# KiCad board oresat-live-card.kicad_pcb (continued)
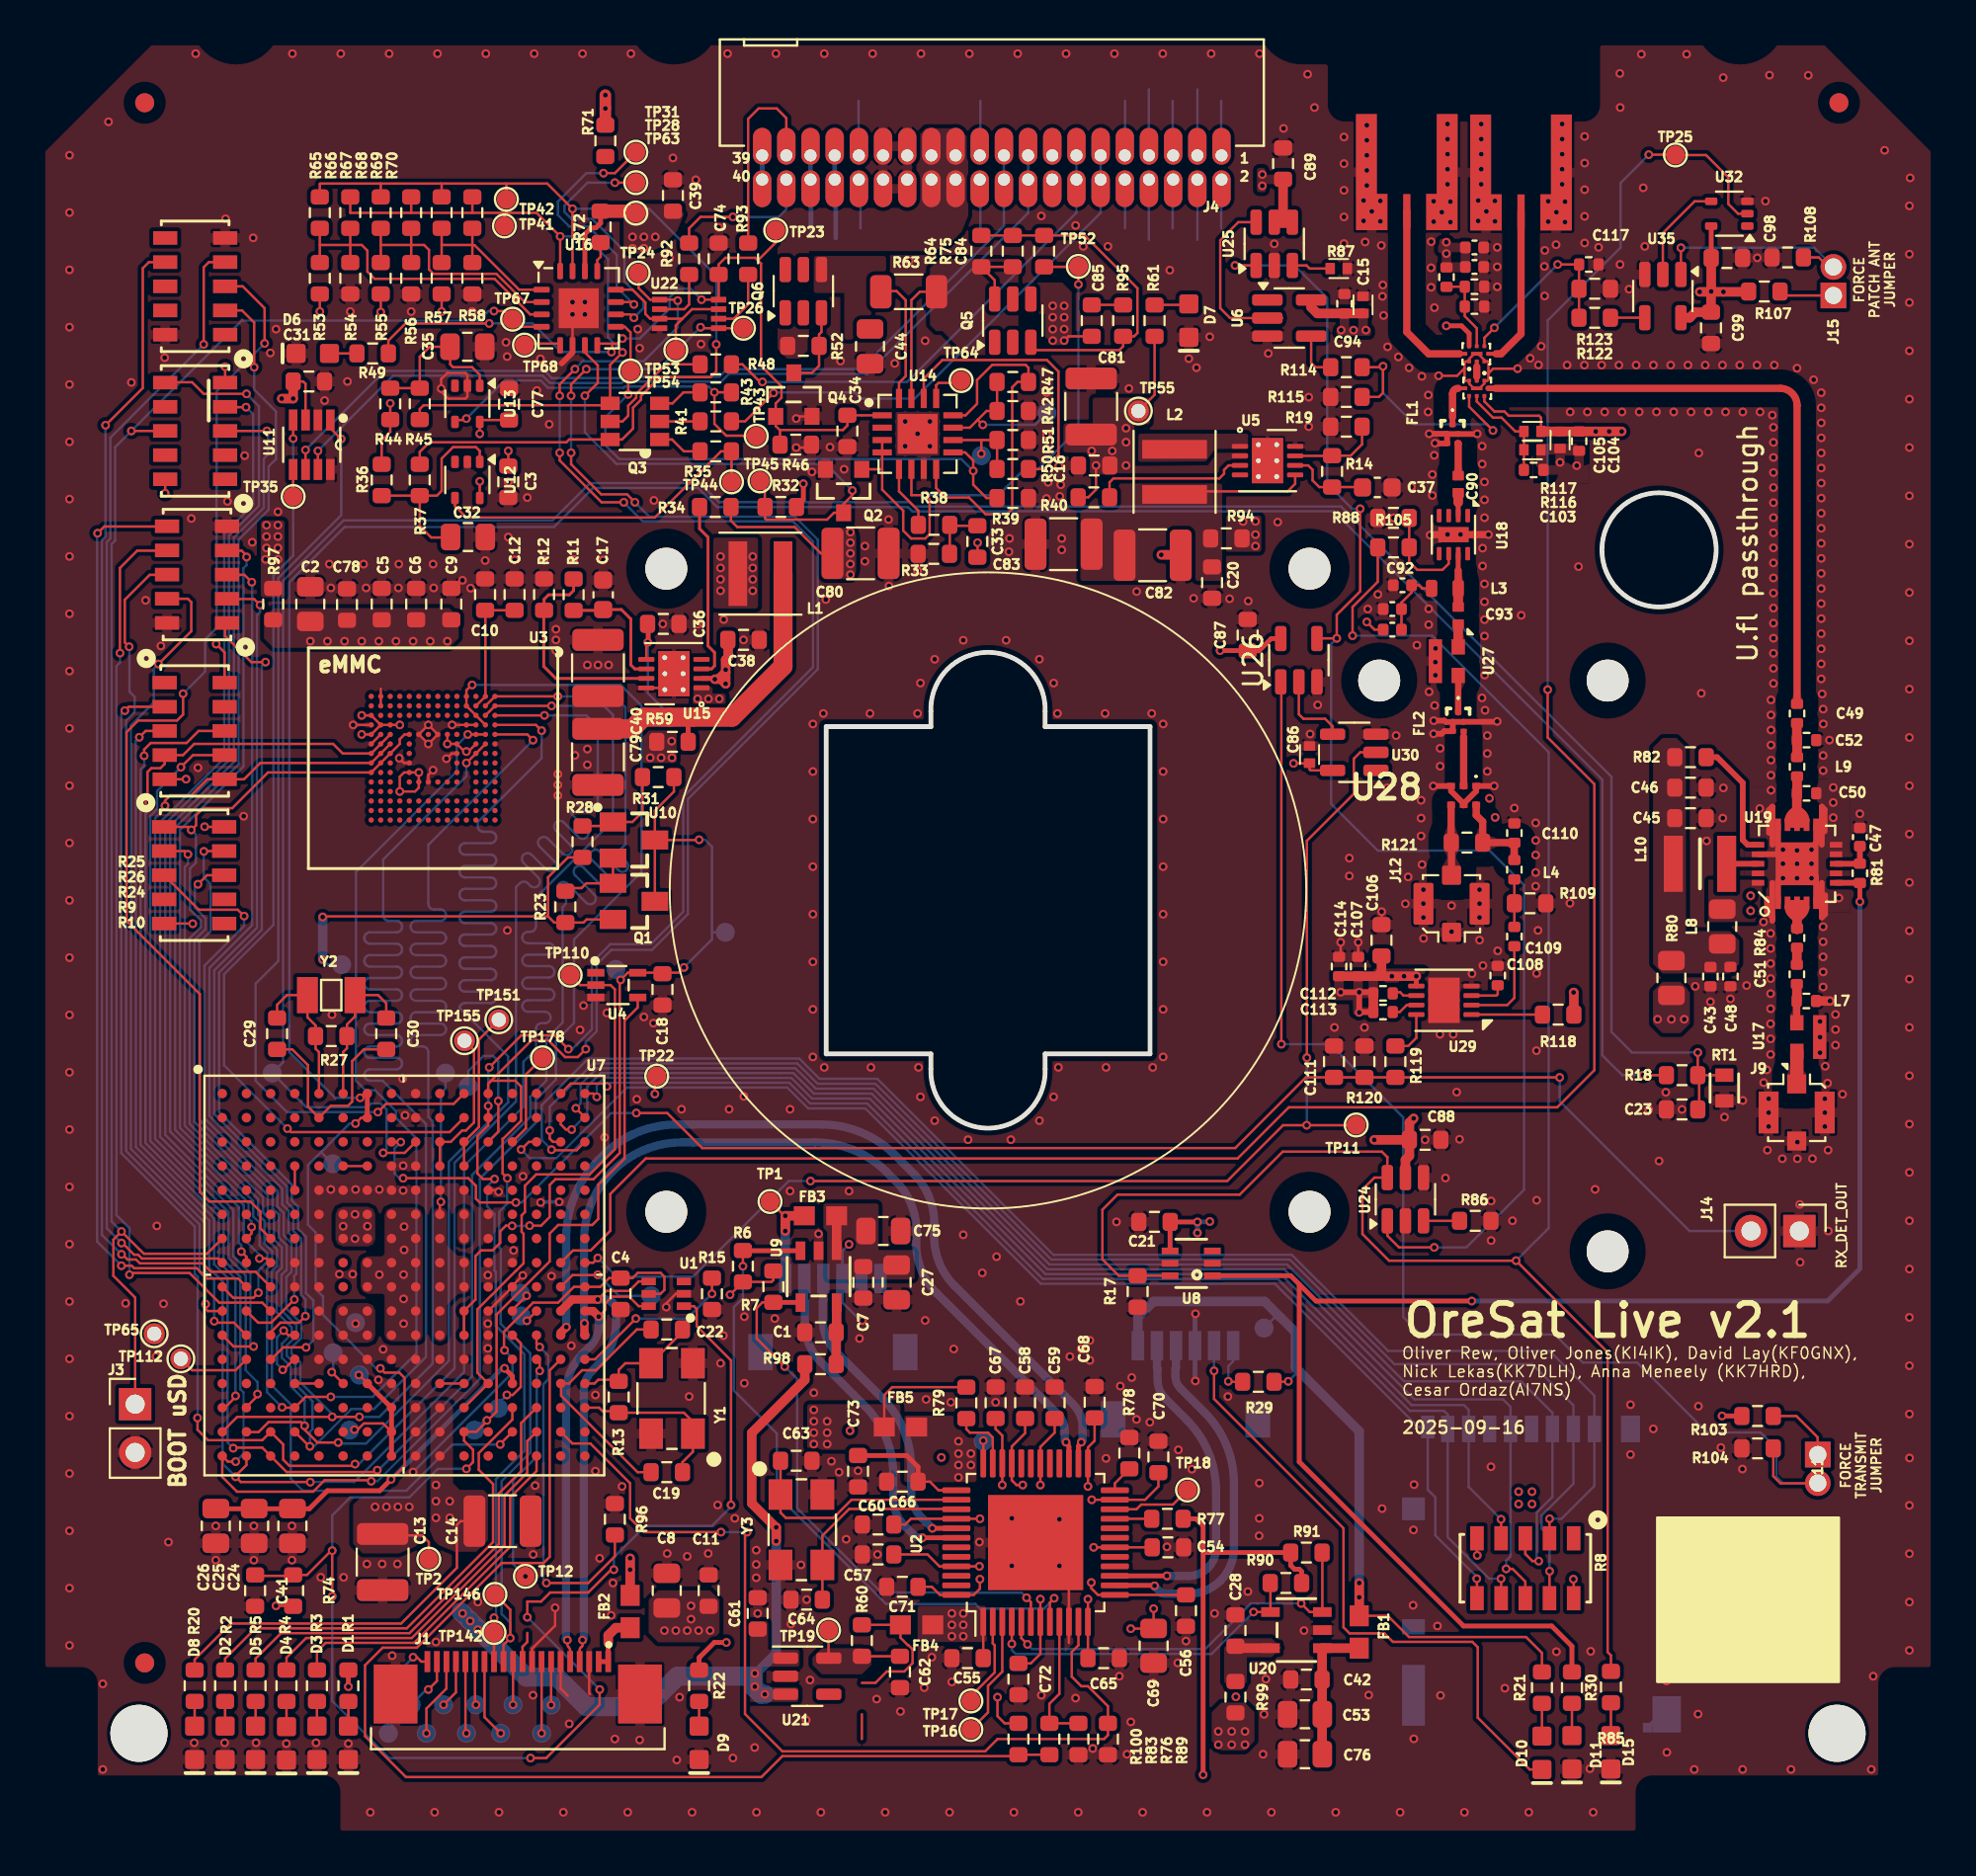
[diagram p0: board, top side]
## Routing (per net, layer and track width the routed paths; a pad name or vN(x,y) marks a point on that pad's centre or on a via; arc(x,y) is an arc through that point) (continued)
Net-(R10-99): length 104.6
  Top w0.127: v1(22.5,56.5) U3.B6 ; R10.9 8.73,51.87 v1(8.71,51.85) ; U7.R4 14.25,20.58 v1(14.28,20.58)
  Bottom w0.127: v1(8.71,51.85) 8.7,51.84 8.7,50.5 9.05,50.15 9.05,47.65 8.47,47.07 8.47,37.74 11.5,34.71 11.5,34.71 12.32,33.89 12.32,33.08 12.65,32.75 12.65,31.56 13.06,31.15 13.06,29.86 12.79,29.59 12.79,27.73 13.23,27.29 ; 13.13,27.39 13.57,26.94 13.57,26.39 13.06,25.87 13.06,25.35 13.52,24.89 13.52,23.84 14.42,22.95 14.42,21.48 14.28,21.34 v1(14.28,20.58) 14.49,20.58 16.46,22.55 17.64,22.55 20.38,25.28 20.38,37.52 18.1,39.8 17.88,39.8 17.83,39.8 17.44,39.8 17.39,39.8 17.3,39.83 17.23,39.89 17.17,39.96 17.14,40.05 17.14,40.1 17.14,40.15 17.17,40.24 17.23,40.31 17.3,40.37 17.39,40.4 17.44,40.4 18.82,40.4 18.87,40.4 18.96,40.43 19.03,40.49 19.09,40.56 19.12,40.65 19.12,40.7 19.12,40.75 19.09,40.84 19.03,40.91 18.96,40.97 18.87,41 18.82,41 17.44,41 17.39,41 17.3,41.03 17.23,41.09 17.17,41.16 17.14,41.25 17.14,41.3 17.14,41.35 17.17,41.44 17.23,41.51 17.3,41.57 17.39,41.6 17.44,41.6 18.82,41.6 18.87,41.6 18.96,41.63 19.03,41.69 19.09,41.76 19.12,41.85 19.12,41.9 19.12,41.95 19.09,42.04 19.03,42.11 18.96,42.17 18.87,42.2 18.82,42.2 17.44,42.2 17.39,42.2 17.3,42.23 17.23,42.29 17.17,42.36 17.14,42.45 17.14,42.5 17.14,42.55 17.17,42.64 17.23,42.71 17.3,42.77 17.39,42.8 17.44,42.8 18.82,42.8 18.87,42.8 18.96,42.83 19.03,42.89 19.09,42.96 19.12,43.05 19.12,43.1 19.12,43.15 19.09,43.24 19.03,43.31 18.96,43.37 18.87,43.4 18.82,43.4 17.44,43.4 17.39,43.4 17.3,43.43 17.23,43.49 17.17,43.56 17.14,43.65 17.14,43.7 17.14,43.75 17.17,43.84 17.23,43.91 17.3,43.97 17.39,44 17.44,44 18.82,44 18.87,44 18.96,44.03 19.03,44.09 19.09,44.16 19.12,44.25 19.12,44.3 19.12,44.35 19.09,44.44 19.03,44.51 18.96,44.57 18.87,44.6 18.82,44.6 17.44,44.6 17.39,44.6 17.3,44.63 17.23,44.69 17.17,44.76 17.14,44.85 17.14,44.9 17.14,44.95 17.17,45.04 17.23,45.11 17.3,45.17 17.39,45.2 17.44,45.2 18.82,45.2 18.87,45.2 18.96,45.23 19.03,45.29 19.09,45.36 19.12,45.45 19.12,45.5 19.12,45.55 19.09,45.64 19.03,45.71 18.96,45.77 18.87,45.8 18.82,45.8 17.44,45.8 17.39,45.8 17.3,45.83 17.23,45.89 17.17,45.96 17.14,46.05 17.14,46.1 17.14,46.15 17.17,46.24 17.23,46.31 17.3,46.37 17.39,46.4 17.44,46.4 18.82,46.4 18.87,46.4 18.96,46.43 19.03,46.49 19.09,46.56 19.12,46.65 19.12,46.7 19.12,46.75 19.09,46.84 19.03,46.91 18.96,46.97 18.87,47 18.82,47 17.44,47 17.39,47 17.3,47.03 17.23,47.09 17.17,47.16 17.14,47.25 17.14,47.3 17.14,47.35 17.17,47.44 17.23,47.51 17.3,47.57 17.39,47.6 17.44,47.6 18.82,47.6 18.87,47.6 18.96,47.63 19.03,47.69 19.09,47.76 19.12,47.85 19.12,47.9 19.12,47.95 19.09,48.04 19.03,48.11 18.96,48.17 18.87,48.2 18.82,48.2 18.43,48.2 18.38,48.2 18.29,48.23 18.22,48.29 18.16,48.36 18.13,48.45 18.13,48.5 18.13,51.43 22.5,55.8 v1(22.5,56.5)
Net-(R24-11): length 44.7
  Top w0.127: v1(14.08,25.78) 12.88,25.78 12.25,25.15 U7.M3 ; v1(11.95,61.8) 11.2,61.8 9.83,63.17 9.83,63.85
  Bottom w0.127: v1(14.08,25.78) 14.46,26.17 14.46,28.25 14.07,28.64 14.07,31.6 13.66,32.01 13.66,33.17 13.33,33.5 13.33,34.34 9.51,38.16 9.51,45.49 11.75,47.73 11.75,61.61 v1(11.95,61.8)
Net-(R24-22): length 44.7
  Top w0.127: 12.21,26.42 12.21,26.57 12.73,27.08 13.7,27.08 v1(14.04,27.42) ; v1(11.66,64.8) 11.34,65.12 9.83,65.12
  Bottom w0.127: v1(14.04,27.42) 14.05,27.43 14.05,28.3 13.82,28.53 13.82,31.5 13.41,31.91 13.41,33.07 13.08,33.4 13.08,34.23 9.26,38.05 9.26,45.6 11.5,47.84 11.5,64.27 11.66,64.44 v1(11.66,64.8)
Net-(R24-33): length 45.4
  Top w0.127: U7.K2 11.56,27.08 12.24,27.08 v1(13.46,28.3) ; 9.83,66.39 10.84,66.39 v1(11.22,66)
  Bottom w0.127: v1(13.46,28.3) 13.45,28.31 13.45,29.54 13.57,29.65 13.57,31.39 13.16,31.8 13.16,32.96 12.83,33.29 12.83,34.12 9,37.95 9,45.73 11.24,47.97 11.24,65.98 v1(11.22,66)
Net-(R24-44): length 45.8
  Top w0.127: 9.83,67.66 10.69,67.66 10.95,67.4 v1(10.95,67.32) ; v1(11.57,28.65) 11.31,28.39 10.25,28.39 9.67,28.96
  Bottom w0.127: v1(11.57,28.65) 11.57,29.81 12.04,30.28 12.04,30.73 11.64,31.14 11.64,32.33 11.31,32.66 11.31,33.47 7.45,37.32 7.45,52.98 10.79,56.31 10.79,66.74 10.95,66.9 10.95,67.32 v1(10.95,67.32)
Net-(R24-66): length 49.8
  Top w0.127: v1(3.12,68.57) 3.48,68.93 6.68,68.93 ; U7.J2 10.5,29.41 8.88,29.41 8.34,29.94 5.05,29.94 4.92,30.07 v1(4.38,30.07)
  Bottom w0.127: v1(3.12,68.57) 3.1,68.55 3.1,31.35 v1(4.38,30.07)
Net-(R24-77): length 48.5
  Top w0.127: v1(4.3,62.28) 4.3,62.28 4.3,66.75 5.21,67.66 6.68,67.66 ; U7.K3 11.77,28.14 9.51,28.14 7.96,29.69 4.89,29.69 v1(4.8,29.6)
  Bottom w0.127: v1(4.8,29.6) 4.8,32.05 4.12,32.73 4.12,61.59 4.3,61.78 v1(4.3,62.28)
Net-(R24-88): length 43
  Top w0.127: v1(4.78,62.61) 4.55,62.84 4.55,65.08 5.86,66.39 6.68,66.39 ; 9.67,27.69 8.91,27.69 8.8,27.81 v1(8.8,28.06)
  Bottom w0.127: v1(8.8,28.06) 8.8,29.43 8.48,29.74 8.48,32.25 4.62,36.11 4.62,58.72 5.07,59.17 5.07,59.98 4.8,60.25 4.8,62.59 v1(4.78,62.61)
Net-(R24-99): length 44.3
  Top w0.127: R24.9 7.87,65.13 8.05,64.95 8.05,63.42 v1(6.32,61.7) ; v1(9.25,27.16) 9.33,27.08 10.29,27.08 10.94,26.42
  Bottom w0.127: v1(6.32,61.7) 6.07,61.45 6.07,59.67 4.88,58.48 4.88,36.21 8.74,32.35 8.74,29.85 9.25,29.33 v1(9.25,27.16)
Net-(R25-22): length 54.4
  Top w0.127: v1(11.35,77.3) 11.35,79.65 10.72,80.28 R25.2 ; U7.G2 11.22,31.78 v1(11.22,32.11)
  Bottom w0.127: v1(11.22,32.11) 11.22,32.39 11.05,32.56 11.05,33.37 7.2,37.22 7.2,53.1 10.54,56.43 10.54,68.23 12.11,69.81 12.11,72.09 12.5,72.47 12.5,72.95 12.5,72.96 12.5,74.98 11.35,76.12 v1(11.35,77.3)
Net-(R25-33): length 60
  Top w0.127: v1(7.62,60.14) 7.62,59.05 7.3,58.73 5.25,58.73 4.65,58.12 4.65,48.2 8.5,44.35 8.5,33.95 9,33.45 11.15,33.45 11.68,32.92 11.68,32.04 U7.G3 ; R25.3 10.75,81.55 11.9,80.4 v1(11.9,78.55)
  Bottom w0.127: v1(11.9,78.55) 9.38,76.03 9.38,63.6 8.77,63 8.77,61.3 v1(7.62,60.14)
Net-(R25-44): length 60.7
  Top w0.127: 9.67,30.23 9.46,30.45 5.46,30.45 5.26,30.65 5.05,30.65 4.43,31.27 v1(4.38,31.27) ; R25.4 8.97,82.82 8.7,82.55 v1(8.7,78.5)
  Bottom w0.127: v1(8.7,78.5) 3.8,73.6 3.8,68.3 3.61,68.11 3.61,32.04 v1(4.38,31.27)
Net-(R25-77): length 63
  Top w0.127: v1(3.54,74.25) 5.5,76.21 5.5,82.5 5.82,82.82 R25.7 ; v1(4.38,30.67) 4.42,30.67 4.7,30.4 5.15,30.4 5.35,30.2 8.64,30.2 9.08,29.76 11.42,29.76 U7.J3
  Bottom w0.127: v1(3.54,74.25) 3.54,68.4 3.35,68.21 3.35,31.7 4.38,30.67 v1(4.38,30.67)
Net-(R26-33): length 50.5
  Top w0.127: U7.H3 11.99,30.46 v1(11.63,30.46) ; v1(12.02,73.95) R26.3
  Bottom w0.127: v1(12.02,73.95) 12.08,73.89 12.08,72.71 11.86,72.49 11.86,69.91 10.28,68.34 10.28,56.54 6.94,53.19 6.94,37.12 10.8,33.26 10.8,31.49 11.63,30.66 v1(11.63,30.46)
Net-(R26-44): length 56.6
  Top w0.127: 9.67,26.42 10.27,25.83 v1(11.32,25.83) ; R26.4 9.84,75.2 v1(10.92,75.2)
  Bottom w0.127: v1(10.92,75.2) 11.3,74.82 11.3,70.07 9.77,68.55 9.77,56.75 6.41,53.38 6.41,36.86 10.26,33.01 10.26,30.58 11.15,29.68 11.15,26 v1(11.32,25.83)
Net-(R26-66): length 54.3
  Top w0.127: v1(10.95,75.9) 8.7,75.9 8.09,76.51 6.68,76.51 ; U7.H2 10.94,30.55 v1(10.68,30.82)
  Bottom w0.127: v1(10.68,30.82) 10.68,31.16 10.54,31.29 10.54,33.16 9.86,33.84 9.79,33.84 6.68,36.95 6.68,53.3 10.03,56.64 10.03,68.44 11.6,70.02 11.6,75.25 v1(10.95,75.9)
Net-(R114-Pad2): length 2.5
  Top w0.127: R114.2 67.1,77.3 66.88,77.52 U6.4
Net-(U2-FULLPWRMGMTz/SMBA1): length 1.2
  Top w0.127: U2.36 v1(49.65,20.88)
Net-(U2-GANGED/SMBA2/HS_UP): length 3.5
  Top w0.127: R79.1 48.76,21.49 48.95,21.3 49.9,21.3 50.15,21.05 U2.35
Net-(U2-OVERCUR1z): length 21.2
  Top w0.127: U2.5 51.65,10.5 v1(51.97,10.17) ; R91.1 67.46,14.99 67.46,11.88 66.8,11.88 v1(66.35,12.32)
  Bottom w0.127: v1(51.97,10.17) 52.22,9.93 61.31,9.93 63.71,12.32 v1(66.35,12.32)
Net-(U2-OVERCUR2z): length 35.6
  Top w0.127: v1(37.03,30.05) R6.1 ; v1(53.38,12.6) 53.15,12.38 U2.8
  Top w0.25: R6.1 37.04,30.86 U9.3
  Bottom w0.127: v1(37.03,30.05) 37.03,28.37 36.55,27.9 36.55,23.51 38.81,21.26 38.81,18.04 44.54,12.3 49.23,12.3 49.48,12.06 52.86,12.06 53.38,12.57 v1(53.38,12.6)
Net-(U2-PWRCTL1/BATEN1): length 17.6
  Top w0.127: R90.1 64.74,13.39 64.74,11.88 v1(63.85,11.88) ; v1(51.15,10.2) U2.4
  Bottom w0.127: v1(63.85,11.88) 61.65,9.67 51.35,9.67 51.15,9.88 v1(51.15,10.2)
Net-(U2-PWRCTL2/BATEN2): length 29.2
  Top w0.127: v1(39.23,24.78) 37.75,26.25 37.75,27.85 38.05,28.15 R7.1 ; v1(51.92,12.62) 52.15,12.4 U2.6
  Top w0.25: R7.1 40.04,28.15 U9.4
  Bottom w0.127: v1(39.23,24.78) 39.88,24.13 39.88,17.32 44.3,12.9 48.53,12.9 48.53,12.89 51.66,12.89 v1(51.92,12.62)
Net-(U2-PWRCTL_POL): length 1.9
  Top w0.127: R77.2 U2.21
Net-(U2-SCL/SMBCLK): length 4.7
  Top w0.127: U2.2 50.15,10.22 50.25,10.12 50.25,8.7 49,7.45 TP17.1
Net-(U2-SDA/SMBDAT): length 6.3
  Top w0.127: TP16.1 49.9,6.6 49.9,7.99 50.65,8.74 U2.3
Net-(U2-SMBUSz): length 4.2
  Top w0.127: TP18.1 59.61,17.52 57.95,17.52 57.7,17.27 U2.22
Net-(U2-USB_R1): length 1.4
  Top w0.127: R78.1 56.56,18.64 U2.24
Net-(U2-USB_VBUS): length 7.1
  Top w0.127: U2.9 53.65,7.57 53.12,7.05 R83.2 R76.2
Net-(U2-XI): length 12.7
  Top w0.127: 39,19.85 Y3.1 39,17.1 39.28,16.82 41.78,16.82 42.73,17.77 U2.38
  Top w0.25: C63.1 39,19.65
Net-(U2-XO): length 10.8
  Top w0.127: U2.39 48.22,17.29 42.61,17.29 41.2,15.89 Y3.3 41.2,12.7
Net-(U3-VDDI): length 6.8
  Top w0.127: C12.1 C10.1 23.5,64.51 23.5,60 U3.C2
Net-(U5-FB): length 7
  Top w0.127: 59.67,70.77 65.64,70.77 66.03,71.17 U5.5
Net-(U5-INTVcc): length 4.3
  Top w0.127: U5.6 66.72,72.14 66.95,71.91 66.95,71.35 67.3,71 R14.1 69.56,71 C37.1
Net-(U5-MODE): length 4.7
  Top w0.127: R19.1 69.55,73.25 68.95,72.65 R14.2 67.97,72.64 U5.7
Net-(U5-RUN): length 8.1
  Top w0.127: R40.1 56.28,71.25 56.49,71.46 62.06,71.46 62.3,71.7 62.3,71.9 62.54,72.14 U5.3
Net-(U7A-EXT_WAKEUP): length 3.9
  Top w0.127: 13.48,26.42 13.14,26.42 v1(12.9,26.66) ; U7.M4 13.45,25.15 12.9,24.61 v1(12.85,24.61)
  Bottom w0.127: v1(12.9,26.66) 12.55,26.32 12.55,24.9 v1(12.85,24.61)
Net-(U7A-EXTINTN): length 1.3
  Top w0.127: U7.E4 U7.D4
Net-(U7A-PMIC_BAT_SENSE): length 7.2
  Top w0.127: v1(16.62,21.46) 16.79,21.46 17.11,21.79 18.12,21.79 U7.R8 ; TP4.1 17.29,23.91 U7.N7
  Top w0.25: U7.N7 U7.P8 U7.T8
  vias: v1(16.85,24.33)
Net-(U7A-PMIC_LDO_PGOOD): length 1.3
  Top w0.127: U7.N4 U7.N5
Net-(U7A-PMIC_POWER_EN): length 1.3
  Top w0.127: 22.38,23.88 U7.N10
Net-(U7A-PMIC_TS): length 1.9
  Top w0.127: U7.N6 v1(15.43,24.48)
  Bottom w0.127: TP129.1 15.5,24.56 v1(15.43,24.48)
Net-(U7A-RTC_KALDO_ENN): length 9.1
  Top w0.127: v1(31.4,27.3) 29.25,25.15 U7.M16 ; 28.72,25.28 U7.M16 ; U7.M16 28.72,25.22 ; v1(35.4,28.6) 35.4,29.42
  Bottom w0.127: v1(35.4,28.6) 34.1,27.3 v1(31.4,27.3)
Net-(U7A-SYS_VDD_1P8V@1): length 7.5
  Top w0.127: U7.F10 21.1,33.38 v1(21.16,33.43)
  Bottom w0.127: TP9.1 21.4,39.38 21.16,39.14 v1(21.16,33.43)
Net-(U7A-SYS_VOUT@1):
  vias: v1(16.68,27.03)
Net-(U7B-AIN7): length 1.3
  Top w0.127: U7.D7 U7.D6
Net-(U7B-OSC1_GND): length 11.2
  Top w0.127: C29.2 13.36,41.44 14.18,40.62 14.18,38.43 U7.B5 15.38,38.48 16.28,38.48 16.5,38.7 16.5,40.83 17.11,41.44 C30.2
Net-(U7B-OSC1_IN): length 8
  Top w0.127: C30.1 18.29,43.87 17.86,44.3 Y2.2 16.65,43.18 16.22,42.76 R27.2 16.22,41.51 16.02,41.31 16.02,39.12
Net-(U7B-OSC1_OUT): length 7.9
  Top w0.127: 14.75,39.12 14.75,41.3 14.57,41.48 R27.1 14.57,42.71 14.15,43.13 Y2.1 13.07,44.3 12.56,43.79 C29.1
Net-(U7B-USB0_CE): length 1.5
  Top w0.127: U7.K13 24.91,27.75 v1(25.66,28.5)
  Bottom w0.127: TP6.1 25.46,28.5 v1(25.66,28.5)
Net-(U7B-USB0_DRVVBUS): length 5.5
  Top w0.127: v1(29.4,29.6) 29.38,29.58 28.08,29.58 27.46,28.96 27.45,28.96
  Bottom w0.127: v1(29.4,29.6) 30.5,28.5 TP7.1
Net-(U7B-USB0_ID): length 1.1
  Top w0.127: 25.68,27.19 U7.K14
  Bottom w0.127: v1(25.68,27.18) 25.63,27.18 TP5.1
Net-(U7B-USB1_CE): length 4.7
  Top w0.127: v1(24.63,23.28) 24.93,23.28 25.36,23.7 25.36,26 24.93,26.42 24.91,26.42
  Bottom w0.127: v1(24.63,23.28) 24.18,22.83 TP144.1
Net-(U7B-USB1_DRVVBUS): length 12.3
  Top w0.127: U7.M14 26.35,24.99 v1(26.35,24.55)
  Bottom w0.127: v1(26.35,24.55) 26.2,24.4 26.2,20.05 24.95,18.8 24.95,14.4 v1(25.6,13.75)
Net-(U7B-USB1_ID): length 18.8
  Top w0.127: 30.3,15.92 30.3,14.8 28.9,13.4 v1(26.7,13.4) ; 26.18,26.42 26.18,25.96 v1(26.35,25.8)
  Bottom w0.127: v1(26.35,25.8) 26.8,25.35 26.8,24.1 26.55,23.85 26.55,13.55 v1(26.7,13.4)
Net-(U7B-USB1_VBUS): length 63.7
  Top w0.127: R83.1 R100.2 51.42,4.3 39.1,4.3 38,3.2 19.32,3.2 17.17,5.35 17.17,9.07 18.1,10 19.9,10 24.35,14.45 26.55,14.45 26.88,14.78 26.88,24.58 27.45,25.15
Net-(U7C-GPMC_A5): length 25.3
  Top w0.127: R2.1 9.82,9.42 11.42,11.02 19.37,11.02 23.9,15.55 23.9,18.6 23.15,19.35 23.15,20.23 24.91,21.99 U7.P13
Net-(U7C-GPMC_A6): length 18.8
  Top w0.127: U7.T14 26.18,19.28 24.8,17.9 24.8,15.3 19.75,10.25 15.1,10.25 14.65,9.8 R3.1
Net-(U7C-GPMC_A7): length 21.2
  Top w0.127: U7.R14 25.7,20.86 25.7,19.2 24.5,18 24.5,15.38 19.63,10.51 14.08,10.51 13.05,9.47 R4.1
Net-(U7C-GPMC_A8): length 23.9
  Top w0.127: U7.P14 25.38,21.81 25.38,19.28 24.2,18.1 24.2,15.45 19.51,10.76 12.76,10.76 11.42,9.42 R5.1
Net-(U7C-UART0_CTSN): length 7.3
  Top w0.127: v1(24.18,38.73) 24.18,37.12 U7.C12
  Bottom w0.127: TP177.1 22.6,40.3 23.4,41.1 23.9,41.1 24.18,40.82 v1(24.18,38.73)
Net-(U7C-UART0_RTSN): length 5.1
  Top w0.127: U7.C13 25.63,37.3 25.63,40.13 TP178.1
Net-(U9-IN): length 3.2
  Top w0.5: R98.1 C1.1 41.95,26.6 U9.5
Net-(U9-OUT): length 1.8
  Top w0.5: FB3.1 U9.1
Net-(U10-REF): length 5.3
  Top w0.127: R31.2 31.75,53.93 31.22,53.4 U10.1 29.99,53.19 R28.1
Net-(U11-RXD): length 49.8
  Top w0.127: 22.38,37.85 21.62,37.1 13.28,37.1 v1(13.1,37.28) ; U11.4 v1(13.4,73.55)
  Bottom w0.127: v1(13.4,73.55) 13.4,67.4 12.36,66.36 12.36,47.99 9.77,45.39 9.77,40.61 v1(13.1,37.28)
Net-(U11-SHDN): length 1.4
  Top w0.127: TP35.1 13.4,71.92
Net-(U11-TXD): length 48.9
  Top w0.127: v1(17.85,38.15) 18.28,38.58 21.83,38.58 22.38,39.12 ; U11.1 15.35,74.1 v1(15.92,73.53)
  Bottom w0.127: v1(17.85,38.15) 13.07,38.15 11.42,39.8 11.42,44.9 12.62,46.09 12.62,66.22 15.92,69.52 15.92,73.52 v1(15.92,73.53)
Net-(U12-INP): length 11.4
  Top w0.127: R36.1 R37.1 ; R37.1 20.95,70.55 21.2,70.8 21.2,72.5 21.8,73.1 23,73.1 23.2,72.9 23.2,72.22 ; R37.1 20.05,68.95 20.65,68.35 21.62,68.35 21.65,68.37
Net-(U12-OUT): length 18.4
  Top w0.127: 21.9,70.52 21.9,70 22.5,69.4 32.4,69.4 35.88,72.88 R35.1 36.42,72.15 36.42,72.15 36.42,71.2
Net-(U13-INP): length 8.4
  Top w0.127: 23.2,76.22 23.2,76.9 22.8,77.3 21.8,77.3 21.65,77.45 21.65,78.37 20.57,78.37 20.05,77.85 R45.1 R44.1
Net-(U13-OUT): length 19.9
  Top w0.127: R43.1 36.42,75.98 v1(35.53,75.98) 35.53,74.32 36.15,73.7 37.4,73.7 37.7,73.4 ; v1(22.5,74.6) 22.42,74.52 21.9,74.52
  Bottom w0.127: v1(35.53,75.98) 35.22,76.29 30.83,76.29 30.76,76.22 26.78,76.22 26.4,76.6 24.5,76.6 v1(22.5,74.6)
Net-(U14-CIN1+): length 4.5
  Top w0.127: 49.57,73.47 50.37,73.47 R51.2 ; 49.57,73.47 49.55,73.45 v1(49.55,72.75) ; 49.57,73.47 U14.10 ; R50.1 50.38,73.45
Net-(U14-CIN1-): length 8.2
  Top w0.127: 49.36,74.54 v1(49.62,74.27) ; 49.36,74.54 49.82,75 R42.2 ; 49.36,74.54 48.95,74.12 U14.11 ; 50.38,76.5 50.38,75
  Bottom w0.127: TP47.1 52.38,74.27 v1(49.62,74.27)
Net-(U14-CIN2+): length 19.7
  Top w0.127: U14.8 47.18,71.63 47.17,71.62 47.17,70.95 47.67,70.45 48.9,70.45 49.78,69.57 50.9,69.57 51.17,69.85 51.17,76.25 51.45,76.52 R47.2 ; 49.32,75.37 48.72,74.77 U14.12 ; 49.32,75.4 49.32,76.62 50.12,77.42 51.88,77.42 52.03,77.27 52.03,76.47
Net-(U14-INHIBIT): length 3.4
  Top w0.127: U14.5 45.23,70.78 46.24,69.76 46.24,68.96
Net-(U14-IOUT): length 15
  Top w0.127: R50.2 52.85,71.95 53.6,72.7 53.6,77.07 53,77.68 47.5,77.68 46.53,76.7 46.53,76.7 U14.14
Net-(U14-RS+): length 6.8
  Top w0.127: U14.16 45.23,76.48 45.57,76.83 45.57,80.82 45.1,81.3 44.35,81.3 44.31,81.27 ; 43.7,79.3 43.7,79.3
Net-(U15-FB): length 23.3
  Top w0.127: 31.98,62.82 31.95,62.79 U15.5
  Top w0.25: 32.05,63.7 32.05,63.05 ; 34.39,58.91 34.15,58.66 R59.1
  Top w1: C79.1 31.2,58.3 31.81,58.91 v1(33.2,58.91) 36.46,58.91 39.13,61.58 L1.2
  Bottom w0.127: v1(32.03,62.84) 32.03,60.17 33.2,59 v1(33.2,58.91)
Net-(U15-INTVcc): length 6.6
  Top w0.15: U15.6 31.35,61.44 31.14,61.65 31.14,64.06 30.64,64.56 C17.1 ; R11.1 29.69,64.52 29.74,64.56
Net-(U15-MODE): length 11.5
  Top w0.15: U15.7 27.2,60.94 26.56,61.58 26.56,64.52 ; R11.2 28.13,65.56 27.91,65.34 26.81,65.34 26.58,65.1 R12.1
Net-(U15-RUN): length 9.4
  Top w0.15: R34.1 34.75,68.81 35.19,68.37 35.19,62.65 35.53,62.31 35.53,61.6 35.38,61.44 U15.3
Net-(U15-SW):
  vias: v1(34.65,59.87) v1(35.22,59.87) v1(35.85,67.35) v1(35.85,66.75) v1(35.85,66.15) v1(35.85,65.55) v1(35.79,59.87) v1(37.54,67.35) v1(37.54,66.75) v1(37.54,66.15) v1(37.54,65.55)
Net-(U16-IO1): length 1.9
  Top w0.127: TP68.1 25.57,78.46 25.65,78.54 27.42,78.54
Net-(U16-IO5): length 13.8
  Top w0.127: v1(30.3,87) TP28.1 ; v1(31.3,79.9) 31.12,80.07 30.26,80.07
  Bottom w0.127: v1(31.3,79.9) 31.8,80.4 31.8,80.8 30.8,81.8 30.8,83.4 29.1,85.1 28.01,85.1 27.66,85.45 27.66,85.8 28.86,87 v1(30.3,87)
Net-(U16-IO6): length 13.9
  Top w0.127: v1(31.3,80.6) 31.17,80.72 30.26,80.72 ; v1(29.7,87.5) 30.3,87.5 TP31.1
  Bottom w0.127: v1(29.7,87.5) 28.8,87.5 27.3,86 27.3,85.3 27.9,84.7 28.9,84.7 30.4,83.2 30.4,81.5 v1(31.3,80.6)
Net-(U16-~{RESET}): length 1.7
  Top w0.127: 29.38,82.26 29.38,82.92 29.55,83.1 29.55,83.8
  Top w0.25: R72.1 29.55,83.8
Net-(U18-RF_IN): length 1.2
  Top w0.25: 74.6,70.19 U18.2
  Top w0.5: C90.2 74.6,70.19
Net-(U18-RF_OUT): length 2.8
  Top w0.25: U18.7 74.6,66.62
  Top w0.38: 74.6,66.62 L3.2
  Top w0.5: L3.2 C93.1
Net-(U18-SHUT_DOWN): length 5.2
  Top w0.127: R88.1 R105.2 72.03,67.07 72.45,66.65 73.78,66.65 74.1,66.97 U18.6
Net-(U19-IREF2): length 2.2
  Top w0.3: U19.8 95.7,51.2 ; R81.2 C47.1
Net-(U19-RFIN@2): length 6.1
  Top w0.127: 92.86,49.01 92.82,48.97 arc(92.74,48.92) 92.64,48.9 ; 92.1,48.8 arc(92.13,48.73) 92.2,48.7
  Top w0.3: 92.65,48.45 92.74,48.54 arc(92.86,48.72) 92.9,48.92 ; 92.65,48.45 arc(92.4,48.35) 92.15,48.45 ; 92.65,48.45 arc(92.49,48.42) 92.4,48.55 arc(92.31,48.42) 92.15,48.45 ; 92.15,48.45 92.06,48.54 arc(91.94,48.72) 91.9,48.92 arc(91.97,49.08) 92.12,49.15 92.85,49.15 ; 92.2,48.7 92.75,48.7 ; 92.64,48.9 92.2,48.9 arc(92.13,48.87) 92.1,48.8
  Top w0.5: 92.4,48.9 92.4,47.75
Net-(U19-RFOUT@12): length 6.5
  Top w0.127: 92.2,53.5 arc(92.21,53.45) 92.24,53.41 92.3,53.35 arc(92.41,53.28) 92.54,53.25
  Top w0.3: 92.26,53.25 92.67,53.25 arc(92.83,53.32) 92.9,53.47 arc(92.86,53.68) 92.74,53.86 92.65,53.95 arc(92.4,54.05) 92.15,53.95 92.06,53.86 arc(91.94,53.68) 91.9,53.47 arc(91.97,53.32) 92.12,53.25 92.26,53.25 ; 92.26,53.25 arc(92.31,53.29) 92.3,53.35
  Top w0.38: 92.39,53.66 92.4,53.65 arc(92.43,53.58) 92.5,53.55
  Top w0.5: L9.1 92.4,54.91 C50.1 92.39,53.66 ; 92.3,53.55 92.7,53.55 ; 92.3,53.55 92.25,53.55 arc(92.21,53.54) 92.2,53.5 ; 92.3,53.55 arc(92.37,53.58) 92.4,53.65
Net-(U19-VBIAS): length 6.5
  Top w0.3: U19.16 89.8,52.2 89.55,52.45 89.55,55.45 88.2,56.8 87.5,56.8
Net-(U19-VCC2): length 1.7
  Top w0.3: U19.18 L10.1
Net-(U20-IN): length 1.6
  Top w0.5: U20.5 63.12,9.97
Net-(U20-OUT): length 7.5
  Top w0.5: FB1.1 U20.1 67.45,9.96 C42.1 67.45,4.4
Net-(U21-OUT): length 3.6
  Top w0.127: C62.1 43.15,9.55 ; U21.5 41.53,9.46 TP19.1
Net-(U22-COM1): length 3.2
  Top w0.127: U22.2 33.95,80.35 34.2,80.6 R92.2
Net-(U22-COM2): length 3.4
  Top w0.127: R93.2 37.3,80.6 36.55,79.85 U22.6
Net-(U24-IN): length 73.3
  Top w0.127: U24.1 70.88,32.43 70.88,31.65 71.49,31.04 v1(73.34,31.04) ; v1(62.88,82.65) 62.88,82.65 U25.1 ; v1(69.45,69.86) 69.45,65.52 68.22,64.29 v1(68.22,63.05) 67.19,63.05 U26.4
  Bottom w0.127: v1(62.88,82.65) 66,82.65 67.72,80.93 67.72,71.17 69.03,69.86 v1(69.45,69.86) ; v1(73.34,31.04) 75.03,31.04 78.06,34.07 78.06,50.08 76.25,51.89 70.38,51.89 67.92,54.35 67.92,62.75 v1(68.22,63.05)
Net-(U24-SET): length 1.9
  Top w0.127: U24.3 74.67,32.43
Net-(U25-OUT): length 8.6
  Top w0.127: U6.2 62.61,79.88 62.1,80.4 62.1,83.97 63.05,84.92 U25.6 ; 64.1,84.97 64.1,84.92 ; 65.34,79.87 65.35,79.88
Net-(U25-SET): length 2.1
  Top w0.127: R87.1 66.8,82.48 66.64,82.65 U25.3
Net-(U28-OUTPUT2): length 4.7
  Top w0.127: 77.54,52.3 C110.2
  Top w0.38: L4.1 C110.2 77.54,52.31 R121.2 75.89,53.41 75.55,53.75 75.55,54.3
Net-(U29-CAP+): length 1.4
  Top w0.127: U29.7 71.89,43.77 71.53,43.41 C113.1
Net-(U29-CAP-): length 1.4
  Top w0.127: U29.6 71.72,44.27 71.55,44.45 71.1,44.45
Net-(U29-EN): length 3.7
  Top w0.127: U29.1 R118.2
Net-(U29-IN+): length 5.1
  Top w0.127: U29.2 77.17,43.77 77.55,44.15 C109.2
Net-(U29-IN-): length 1.9
  Top w0.127: U29.3 76.6,44.27 76.67,44.35 C108.1
Net-(U29-OUT): length 2.5
  Top w0.127: R119.1 71.97,41.62 72.4,42.05 U29.8
Net-(U30-Y): length 4.2
  Top w0.127: U26.2 66.23,59.06 66.47,58.82 67.61,58.82 68,58.43 U30.4
Net-(U32-Y): length 5.4
  Top w0.127: U35.2 85.35,84.35 87.02,86.02 U32.4
Net-(U34-CTRL): length 14
  Top w0.127: R115.1 70.44,75.74 70.65,75.95 v1(70.65,77.35) 70.6,77.3 R114.1 ; U34.5 75.17,75.22 v1(76.42,73.97)
  Bottom w0.127: v1(70.65,77.35) 70.65,75.95 72.3,74.3 76.1,74.3 v1(76.42,73.97)
Net-(U34-EN): length 5.4
  Top w0.127: C103.1 R116.1 R117.2 77.6,73.92 76.88,74.65 76.42,74.65 75.57,75.5 U34.6
Net-(U34-RF_COM): length 1
  Top w0.2: U36.2 75.57,77.32 ; 75.57,76.81 U34.2
  Top w0.38: 75.57,77.32 75.57,76.81
Net-(U35-Y): length 1.8
  Top w0.127: 82.59,79.9 U35.4
Net-(U36-CTRL): length 9.8
  Top w0.127: 75.97,78.4 75.97,78.85 v1(76.5,79.37) ; v1(79.82,82.7) C117.1 80.94,82.69 R123.2 R122.2
  Bottom w0.127: v1(79.82,82.7) v1(76.5,79.37)
Net-(U36-EN): length 4.4
  Top w0.127: 74.89,80.49 74.91,80.47 ; 74.06,81.47 74.01,81.52 ; R125.1 73.99,81.53 R124.2 C115.1 74.94,79.98 75.57,79.35 75.57,78.4
unconnected-(J4-Pad1): length 2.9
  Bottom w0.127: J4.1 62.15,88.45 62.15,91.3
unconnected-(J4-Pad2): length 2.6
  Bottom w0.127: J4.2 62.15,87.15 62.15,84.6
unconnected-(J4-Pad3): length 3.5
  Bottom w0.127: J4.3 60.9,88.44 60.9,91.9
unconnected-(J4-Pad4): length 3.2
  Bottom w0.127: J4.4 60.9,87.16 60.9,84
unconnected-(J4-Pad5): length 2.9
  Bottom w0.127: J4.5 59.6,88.46 59.6,91.3
unconnected-(J4-Pad6): length 2.6
  Bottom w0.127: 59.6,84.6 59.6,87.14 J4.6
unconnected-(J4-Pad7): length 3.5
  Bottom w0.127: J4.7 58.35,88.44 58.35,91.9
unconnected-(J4-Pad8): length 3.2
  Bottom w0.127: J4.8 58.35,87.16 58.35,84
unconnected-(J4-Pad9): length 2.9
  Bottom w0.127: J4.9 57.1,88.45 57.1,91.3
unconnected-(J4-Pad10): length 2.6
  Bottom w0.127: 57.1,84.6 57.1,87.15 J4.10
unconnected-(J4-Pad21): length 2.9
  Bottom w0.127: 49.5,91.3 49.5,88.47 J4.21
unconnected-(J4-Pad22): length 2.6
  Bottom w0.127: J4.22 49.5,87.13 49.5,84.6
unconnected-(J4-Pad31): length 2.9
  Bottom w0.127: 43.1,91.3 43.1,88.45 J4.31
unconnected-(J4-Pad32): length 2.6
  Bottom w0.127: 43.2,84.6 43.2,87.08 J4.32

## Copper pours and planes (outline as drawn; the poured copper is in the pictures)
3.3VA on Top, In2.Cu: 20.2,32.91 20.2,26.26 20.04,26.1 18.39,26.1 18.2,26.29 18.2,28.51 18.11,28.6 17.17,28.6 16.95,28.82 16.95,30.38 17.14,30.57 18.08,30.57 18.2,30.69 18.2,32.91 18.42,33.13 19.98,33.13
5VA on Top: 86.77,42.3 84.83,42.3 84.83,45 86.77,45
5VA on Top: 64.26,67.6 62.28,67.6 62.28,69.5 64.26,69.5
5VA on Top: 69.07,44.03 67.97,44.03 67.97,45.7 72.88,45.7 72.88,44.62 71.95,44.62 71.95,44.95 70.5,44.95 70.5,43.25 69.07,43.25
5VA on In2.Cu: 65.35,69.47 65.35,58.07 62.2,58.07 62.2,69.47
5VA on In2.Cu: 71.5,31.4 60.6,31.4 60.6,62.9 71.5,62.9
+3.3V on Top: 11.7,65.2 12.95,65.2 12.95,69.25 11.7,69.25
+3.3V on Top: 45.3,20.4 40.4,20.4 40.4,22.8 45.3,22.8
+3.3V on Top: 32.07,10.28 32.07,13.01 35.79,13.01 35.79,10.28
+3.3V on Top: 17.71,32.94 17.71,31.32 17.48,31.09 15.86,31.09 15.62,31.32 15.62,32.94 15.86,33.17 17.48,33.17
+3.3V on Bottom: 78.97,16.95 77.47,16.95 77.47,18.57 77.95,18.57 77.95,22.35 78.97,22.35
+3.3V on In2.Cu: 36.53,22.8 41.9,22.8 41.9,20.5 36,20.5 36,10.6 35.8,10.6 35.8,3.4 5.4,3.4 5.4,12 32.1,12 32.1,33.85 36.53,33.85
+3.3V on In2.Cu: 78.9,16.4 76.82,16.4 76.82,18.57 78.9,18.57
+3.3V on In2.Cu: 17.7,33.2 17.7,31.1 8.2,31.1 8.2,30.5 7,30.5 7,33.2
+3.3V on In2.Cu: 14.1,40.55 14.22,40.4 14.6,39.97 14.57,4.95 5.35,4.95 5.35,85.45 14.1,85.45
+5V on Top: 68.2,78.95 70.03,78.95 70.03,80.52 68.2,80.52
+5V on Top: 33.54,56.5 31.75,56.5 31.75,58.37 33.54,58.37
+5V on Top: 73.53,84.05 73.53,82.05 75.36,82.05 75.38,82.07 75.38,84.05
+5V on Top: 38.35,11.4 38.35,9.9 40,9.9 40,9 38.05,9 38.05,7.92 39.95,7.91 39.95,7.15 37.2,7.15 37.2,11.4
+5V on Top: 64.03,87.77 64.03,86.5 65.97,86.5 65.97,87.77
+5V on Top: 63.9,4.6 61.65,4.6 61.65,7.11 63.9,7.11
